# Altium PCB ld_system_control.PcbDoc (continued)
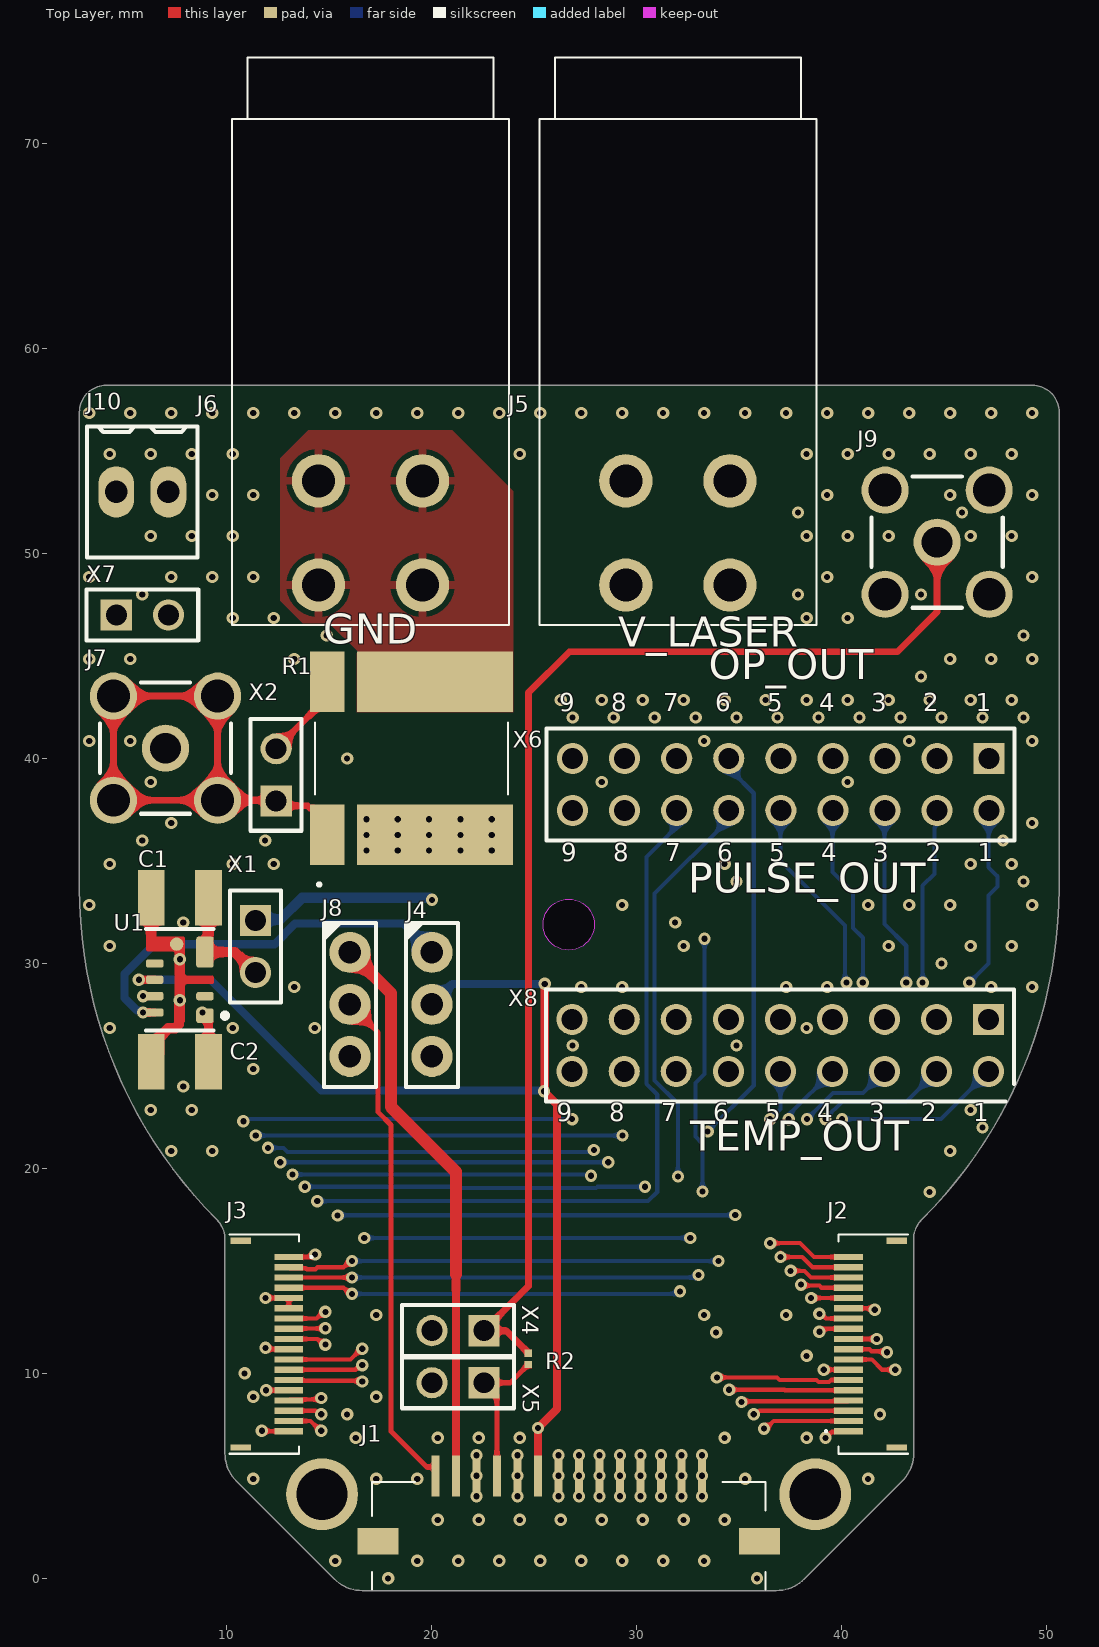
[diagram p0: Top Layer view]
## Design rules (kind name [scope] priority, off if disabled: settings) (continued)
PolygonConnect [All] p2: thpad.connectstyle=Relief thpad.reliefconductorwidth=0.3 thpad.reliefentries=4 thpad.polygonreliefangle="90 Angle" thpad.airgapwidth=0.25 smdpad.connectstyle=Relief smdpad.reliefconductorwidth=0.3 smdpad.reliefentries=4 smdpad.polygonreliefangle="90 Angle" smdpad.airgapwidth=0.25 via.connectstyle=Direct via.reliefconductorwidth=0.25 via.reliefentries=4 via.polygonreliefangle="90 Angle" via.airgapwidth=0.25
RoutingCorners [All] p1: cornerstyle=45-Degree minsetback=1.5 maxsetback=1.5
RoutingVias [All] p1: holewidth=0.3 width=0.6 viastyle="Through Hole" minholewidth=0.3 minwidth=0.6 maxholewidth=0.7 maxwidth=1.5
SilkToSilkClearance [All] p1: silktosilkclearance=0
SilkToSolderMaskClearance [IsPad] p1: minsilkscreentomaskgap=0 clearancetoexposedcopper=TRUE
SolderMaskExpansion SolderMaskExpansion_1 [IsVia] p1: expansion=0.05 istentingtop=TRUE
SolderMaskExpansion [All] p2: expansion=0 istentingtop=FALSE
Width [All] p1: maxlimit=1 minlimit=0.2 preferedwidth=0.2
19 further rules are at their usual default settings.

## Classes and differential pairs
net class TEMP_A[1..9]: TEMP_A1 TEMP_A2 TEMP_A3 TEMP_A4 TEMP_A5 TEMP_A6 TEMP_A7 TEMP_A8 TEMP_A9
net class PULSE_OUT_A[1..9]: PULSE_OUT_A1 PULSE_OUT_A2 PULSE_OUT_A3 PULSE_OUT_A4 PULSE_OUT_A5 PULSE_OUT_A6 PULSE_OUT_A7 PULSE_OUT_A8 PULSE_OUT_A9
net class OP_OUT_P[1..9]: OP_OUT_P1 OP_OUT_P2 OP_OUT_P3 OP_OUT_P4 OP_OUT_P5 OP_OUT_P6 OP_OUT_P7 OP_OUT_P8 OP_OUT_P9

## Components (designator, comment, footprint, x,y, rotation, side; value= is the part's Value field where it differs from the comment)
C1 "10 µF" "CAP 1210_3225 - 1MM" 7.7,33.2 r0 top
C2 "10 µF" "CAP 1210_3225 - 1MM" 7.7,25.2 r0 top
J1 "200528-0140" 200528-0140 26.67,2.05 r0 top
J2 "503480-1800" 5034801800 41.548,11.425 r270 top
J3 "503480-1800" 5034801800 11.792,11.425 r90 top
J4 "M20-7820342" "HARWIN M20-7820345" 20,28 r0 top
J5 "CT3151-2" CT31510 32,51 r180 top
J6 "CT3151-0" CT31510 17,51 r180 top
J7 "1470510-1" 5-1814832-1 7,40.5 r0 top
J8 "M20-7820342" "HARWIN M20-7820345" 16,28 r0 top
J9 "1470510-1" 5-1814832-1 44.645,50.55 r0 top
J10 "282834-2" "TE 282834-2" 5.87,53 r0 top
R1 "WSL3637R0100DEA" WSL3637R0100DEA 19,40 r90 top
R2 "51" "RES 0201_0603" 24.7,10.7 r270 top
U1 "TPSM265R1V3SILR" FP-SIL0010C-MFG 7.7,29.2 r180 top
X1 "68000-102HLF" 68000-102HLF 11.387,30.82 r270 top
X2 "68000-102HLF" 68000-102HLF 12.4,39.2 r90 top
X4 "68000-102HLF" 68000-102HLF 21.27,12.08 r180 top
X5 "68000-102HLF" 68000-102HLF 21.27,9.54 r180 top
X6 "68000-102HLF" TSW-109-07-G-D 37.02,38.73 r270 top
X7 "68000-102HLF" 68000-102HLF 5.87,47 r0 top
X8 "68000-102HLF" TSW-109-07-G-D 37,26 r270 top

## Footprints (in the part's own frame and the unit in brackets; to place one, negate y for a bottom-side part, rotate by r counter-clockwise, add the part's x,y. Pads: shape width x height; smd on the part's side, far side on the other; paste and mask are expansions set on the pad)
5-1814832-1 [mm]
  round 2.3 hole 1.5: 1(0,0)
  round 2.3 hole 1.6: 2(-2.54,2.54) 3(2.54,2.54) 4(-2.54,-2.54) 5(2.54,-2.54)
  silkscreen extent -3.2,-3.2 3.2,3.2, body extent -3.2,-3.2 3.2,3.2, height 9.51
68000-102HLF [mm]
  rect 1.52x1.52 hole 1.02: 1(-1.27,0)
  round 1.52 hole 1.02: 2(1.27,0)
  silkscreen extent -2.73,-1.24 2.73,1.24, body extent -2.54,-1.21 2.54,1.21, height 8.39
200528-0140 [mm] "Conn FPC 14 POS 1 mm"
  rect 0.4x2 smd: 1(-6.5,2.95) 2(-5.5,2.95) 3(-4.5,2.95) 4(-3.5,2.95) 5(-2.5,2.95) 6(-1.5,2.95) 7(-0.5,2.95) 8(0.5,2.95) 9(1.5,2.95) 10(2.5,2.95) 11(3.5,2.95) 12(4.5,2.95) 13(5.5,2.95) 14(6.5,2.95)
  rect 2x1.3 smd: MP1(-9.3,-0.25) MP2(9.3,-0.25)
  silkscreen extent -9.6,-2.6 9.6,2.65, body extent -10,-2.6 10,2.7, height 1.88
5034801800 [mm]
  rect 0.3x1.4 smd: 1(4.25,-1.225) 2(3.75,-1.225) 3(3.25,-1.225) 4(2.75,-1.225) 5(2.25,-1.225) 6(1.75,-1.225) 7(1.25,-1.225) 8(0.75,-1.225) 9(0.25,-1.225) 10(-0.25,-1.225) 11(-0.75,-1.225) 12(-1.25,-1.225) 13(-1.75,-1.225) 14(-2.25,-1.225) 15(-2.75,-1.225) 16(-3.25,-1.225) 17(-3.75,-1.225) 18(-4.25,-1.225)
  rect 0.3x1 smd: MP1(5.04,1.125) MP2(-5.04,1.125)
  silkscreen extent -5.35,-2.37 5.35,1.67, body extent -5.35,-1.8 5.35,1.8, height 1.85
"CAP 1210_3225 - 1MM" [mm] "Chip Capacitor, 2-Leads, Body 3.20x2.50mm, IPC Medium Density"
  rect 1.3x2.7 smd: 1(-1.4,0) 2(1.4,0)
  body extent -1.6,-1.25 1.6,1.25, height 1
CT31510 [mm]
  round 2.6 hole 1.6: 1(-2.54,2.54) 2(-2.54,-2.54) 3(2.54,-2.54) 4(2.54,2.54)
  silkscreen extent -6.75,-23.2 6.75,4.5, body extent -6.6,-24.65 6.9,3.05, height 19.24
FP-SIL0010C-MFG [mm]
  rrect29% 0.85x0.7 smd paste-1000 mask-1000: 1(-1.225,1.75)
  rrect50% 0.85x0.4 smd paste-1000 mask-1000: 2(-1.225,0.8) 7(1.225,-0.8) 8(1.225,0) 9(1.225,0.8) 10(1.225,1.6)
  round 0.65 smd paste-1000 mask-1000: 3-6-11(0.155,-1.739)
  rrect24% 0.85x1.5 smd paste-1000 mask-1000: 4-5(-1.225,-1.35)
  Top Layer region: -0.15,2.1 -0.2,2.087 -0.237,2.05 -0.25,2 -0.25,2 -0.25,0.3 -0.258,0.262 -0.279,0.229 -0.312,0.208 -0.35,0.2 -0.35,0.2 -1.55,0.2 -1.6,0.187 -1.637,0.15 -1.65,0.1 -1.65,0.1 -1.65,-0.1 -1.637,-0.15 -1.6,-0.187 -1.55,-0.2 -1.55,-0.2 -0.35,-0.2 -0.312,-0.208 -0.279,-0.229 -0.258,-0.262 -0.25,-0.3 -0.25,-0.3 -0.25,-2 -0.237,-2.05 -0.2,-2.087 -0.15,-2.1 -0.15,-2.1 1.55,-2.1 1.6,-2.087 1.637,-2.05 1.65,-2 1.65,-2 1.65,-1.5 1.637,-1.45 1.6,-1.413 1.55,-1.4 1.55,-1.4 0.35,-1.4 0.3,-1.387 0.263,-1.35 0.25,-1.3 0.25,-1.3 0.25,2 0.237,2.05 0.2,2.087 0.15,2.1 0.15,2.1
  silkscreen extent -2.33,-2.47 1.65,2.47, body extent -1.75,-2.2 1.75,2.2, height 0.25
"HARWIN M20-7820345" [mm] "2.54mm DIL PC TAIL PIN HEADER ASSEMBLY"
  round 2 hole 1.1: 1(0,2.54) 2(0,0) 3(0,-2.54)
  silkscreen extent -1.27,-4.03 1.27,4, body extent -1.25,-4.01 1.25,4.01, height 8.5
"RES 0201_0603" [mm] "Chip Resistor, 2-Leads, Body 0.60x0.30mm, IPC Medium Density"
  rect 0.35x0.35 smd: 1(-0.275,0) 2(0.275,0)
  body extent -0.3,-0.15 0.3,0.15, height 0.21
"TE 282834-2" [mm]
  oval 1.75x2.5 hole 1.1: 1(-1.27,0) 2(1.27,0)
  silkscreen extent -2.7,-3.2 2.7,3.2, body extent -2.77,-3.25 2.77,3.25, height 10
TSW-109-07-G-D [mm] "Conn header 18 pins"
  rect 1.52x1.52 hole 1.02: 1(-1.27,10.16)
  round 1.52 hole 1.02: 2(1.27,10.16) 3(-1.27,7.62) 4(1.27,7.62) 5(-1.27,5.08) 6(1.27,5.08) 7(-1.27,2.54) 8(1.27,2.54) 9(-1.27,0) 10(1.27,0) 11(-1.27,-2.54) 12(1.27,-2.54) 13(-1.27,-5.08) 14(1.27,-5.08) 15(-1.27,-7.62) 16(1.27,-7.62) 17(-1.27,-10.16) 18(1.27,-10.16)
  silkscreen extent -2.73,-11.43 2.73,11.4, body extent -2.54,-11.43 2.54,11.43, height 8.38
WSL3637R0100DEA [mm]
  rect 2.95x1.68 smd: 1(-3.735,4.115) 4(3.735,4.115)
  rect 2.95x7.62 smd: 2(-3.735,-1.145) 3(3.735,-1.145)
  silkscreen extent -6.2,-4.7 1.75,4.7, body extent -4.66,-4.56 4.48,4.84, height 0.64

## Part data
C1 C2: library part GRM32EC72A106ME05L, "CAP CER 10UF 100V X7S 1210", Device Package="1210 (3225 Metric)", Manufacturer="Murata Electronics", Operating Temperature="-55°C ~ 125°C", Supplier Part Number 1=490-GRM32EC72A106ME05LCT-ND, Temperature Coefficient=X7S, Tolerance=±20%, Voltage - Rated=100V, Applications="General Purpose", Capacitance="10 µF", ComponentLink1Description=Datasheet, ComponentLink1URL=https://search.murata.co.jp/Ceramy/image/img/A01X/G101/ENG/GRM32EC72A106ME05-01A.pdf, ComponentLink2Description="DigiKey Link", ComponentLink2URL=https://www.digikey.com/en/products/detail/murata-electronics/GRM32EC72A106ME05L/16033383, lastupdated="16/07/2023 19:11:38", Lifecycle Status=Active, Minimum Order=1, Mounting Type="Surface Mount, MLCC", Package / Case="1210 (3225 Metric)", Packaging=TapeAndReel, Part Number=GRM32EC72A106ME05L, Part Status=Active, partid=44868, price=0.28, series=GRM, Size / Dimension="0.126\" L x 0.098\" W (3.20mm x 2.50mm)", Supplier 1=Digi-Key, Thickness (Max)="0.106\" (2.70mm)"
J1: "Conn FPC 14 POS 1 mm", Manufacturer=Molex, Supplier Part Number 1=538-200528-0140, Category="FFC / FPC", Manufacturer Part Number=200528-0140, Pricing 1="1=2.14, 10=1.82, 50=1.82, 100=1.5, 1000=1.2, 10000=1.02 (USD)", RoHS=No, Stock 1=12005, Supplier 1=Mouser
J2 J3: "Conn FPC  18 POS 0.5mm", Manufacturer=Molex, Manufacturer Part Number=5034801800, Supplier Part Number 1=538-503480-1800, Category="FFC / FPC", ComponentLink1Description=https://datasheet.ciiva.com/671/5034800400-sd-671136.pdf?src-supplier=Digi-Key, ComponentLink1URL=https://datasheet.ciiva.com/671/5034800400-sd-671136.pdf?src-supplier=Digi-Key, ComponentLink2Description=https://datasheet.ciiva.com/10366/5034801800-ffc-fpc-connectors-10366583.pdf?src-supplier=Avnet, ComponentLink2URL=https://datasheet.ciiva.com/10366/5034801800-ffc-fpc-connectors-10366583.pdf?src-supplier=Avnet, ComponentLink3Description=https://datasheet.ciiva.com/5137/5034801800-ffc-fpc-connectors-179548-5137672.pdf?src-supplier=Mouser, ComponentLink3URL=https://datasheet.ciiva.com/5137/5034801800-ffc-fpc-connectors-179548-5137672.pdf?src-supplier=Mouser, Pricing 1="1=1.48, 10=1.23, 50=1.23, 100=1.06, 1000=0.885, 10000=0.766 (USD)", RoHS=Yes, Stock 1=17529, Supplier 1=Mouser
J4 J8: "Header 3 Positions, Unshrouded Connector 0.100\" (2.54mm) Through Hole Gold or Gold, GXT™", Current Rating (Amps)=3A, Insulation Color=Black, Manufacturer="Harwin Inc.", Material Flammability Rating="UL94 V-0", Operating Temperature="-40°C ~ 105°C", Supplier Part Number 1=952-1783-ND, ComponentLink1Description=Datasheet, ComponentLink1URL=https://cdn.harwin.com/pdfs/Harwin_PC_Connectors_M20.pdf, ComponentLink2Description="DigiKey Link", ComponentLink2URL=https://www.digikey.com/en/products/detail/harwin-inc/M20-7820342/3727752, Connector Type=Receptacle, Contact Finish - Mating=Gold, Contact Finish - Post=Tin, Contact Finish Thickness - Mating=Flash, Contact Length - Post="0.118\" (3.00mm)", Contact Type="Female Socket", Fastening Type=Push-Pull, Insulation Height="0.335\" (8.51mm)", lastupdated="21/09/2022 18:55:13", Lifecycle Status=Active, Mated Stacking Heights="11.04mm, 12.63mm", Minimum Order=1, Mounting Type="Through Hole", Number of Positions=3, Number of Positions Loaded=All, Number of Rows=1, Packaging=Tube, Part Number=M20-7820342, Part Status=Active, Pitch - Mating="0.100\" (2.54mm)", price=0.42, series=M20, Style="Board to Board or Cable", Supplier 1=DigiKey, Termination=Solder
J5: "Banana plug connector - Red", Manufacturer="Cal Test Electronics", Supplier Part Number 1=510-CT3151-2, Category=Connectors, ComponentLink1Description=http://www.caltestelectronics.com/images/attachments/P315100rH_drawing.pdf?src-supplier=Digikey, ComponentLink1URL=http://www.caltestelectronics.com/images/attachments/P315100rH_drawing.pdf?src-supplier=Digikey, Manufacturer Part Number=CT3151-2, Pricing 1="1=2.45, 10=2.45, 50=2.45, 100=2.45, 1000=2.45, 10000=2.45 (USD)", Reach SVHC Compliant=Yes, RoHS=Yes, Supplier 1=Mouser
J6: "Banana plug connector - Black", Manufacturer="Cal Test Electronics", Supplier Part Number 1=510-CT3151-0, Category=Connectors, ComponentLink1Description=http://www.caltestelectronics.com/images/attachments/P315100rH_drawing.pdf?src-supplier=Digikey, ComponentLink1URL=http://www.caltestelectronics.com/images/attachments/P315100rH_drawing.pdf?src-supplier=Digikey, Manufacturer Part Number=CT3151-0, Pricing 1="1=2.45, 10=2.45, 50=2.45, 100=2.45, 1000=2.45, 10000=2.45 (USD)", Reach SVHC Compliant=Yes, RoHS=Yes, Stock 1=3249, Supplier 1=Mouser
J7 J9: library part CMP-00606-1, "SMA Connector Jack, Female Socket 50 Ohm Through Hole Solder", Case/Package=SMA, Dielectric Material=PTFE, Frequency=6GHz, Manufacturer="TE Connectivity", Package Quantity=100, Supplier Part Number=A119269-ND, Body Material=Brass, ComponentLink1Description=1470510-1?RQPN=1470510-1, ComponentLink1URL=http://www.te.com/catalog/pn/en/1470510-1?RQPN=1470510-1, Connector Type=SMA,Jack, ELV=Compliant, Gender=Male, Impedance=50R, Length=13.97mm, Manufacturer Part Number=1470510-1, Mount="Through Hole", Orientation=Straight, Packaging=Bag, PCB Mounting Orientation=Vertical, Radiation Hardening=No, Supplier=Digi-Key, Termination=Solder
J10: "TERM BLK 2P SIDE ENT 2.54MM PCB", Color=Green, Current=10A, Manufacturer="TE Connectivity AMP Connectors", Supplier Part Number 1=A98333-ND, Voltage=150V, ComponentLink1Description=Datasheet, ComponentLink1URL=https://www.te.com/commerce/DocumentDelivery/DDEController?Action=srchrtrv&DocNm=282834&DocType=Customer+Drawing&DocLang=English, ComponentLink2Description="DigiKey Link", ComponentLink2URL=http://digikey.com/product-detail/en/te-connectivity-amp-connectors/282834-2/A98333-ND/1150135, lastupdated="15/01/2020 04:15:38", Lifecycle Status=Active, Mating Orientation="Horizontal with Board", Minimum Order=1, Mounting Type="Through Hole", Number of Levels=1, Packaging=Bulk, Part Number=282834-2, Part Status=Active, Pitch="0.100\" (2.54mm)", Positions Per Level=2, price=0.88, series=Buchanan, Supplier 1=DigiKey, Wire Gauge="16-30 AWG", Wire Termination="Screw - Rising Cage Clamp"
R1: "Resistor", Manufacturer_Name=Vishay, Mouser Part Number=71-WSL3637R0100DEA, Arrow Part Number=WSL3637R0100DEA, Arrow Price/Stock=https://www.arrow.com/en/products/wsl3637r0100dea/vishay, Datasheet Link=https://componentsearchengine.com/Datasheets/1/WSL3637R0100DEA.pdf, Height=0.889mm, Manufacturer_Part_Number=WSL3637R0100DEA, Mouser Price/Stock=https://www.mouser.co.uk/ProductDetail/Vishay-Dale/WSL3637R0100DEA?qs=5qr1tyFj3NLzr0u0T49OJA%3D%3D
R2: library part ERJ-1GNF51R0C, "RES SMD 51 OHM 1% 1/20W 0201", Case/Package=0201, Manufacturer=Panasonic, Manufacturer Part Number=ERJ1GNF51R0C, Max Operating Temperature=125°C, Min Operating Temperature=-55°C, Package Height=0.23mm, Package Length=0.6mm, Package Shape=Rectangular, Package Style=SMTMeter, Package Width=0.3mm, Power=50mW, Rated Temperature=70°C, Resistor Type="FIXED RESISTOR", Supplier Part Number=667-ERJ-1GNF51R0C, Temperature Coefficient=200ppm/°C, Tolerance=1%, Working Voltage=25V, Category="Chip SMD Resistors", ComponentLink1Description=https://datasheet.ciiva.com:443/pdfs/VipMasterIC/IC/PANA/PANA-S-A0009889626/PANA-S-A0009889626-1.pdf?src-supplier=IHS+Markit, ComponentLink1URL=https://datasheet.ciiva.com:443/pdfs/VipMasterIC/IC/PANA/PANA-S-A0009889626/PANA-S-A0009889626-1.pdf?src-supplier=IHS+Markit, ComponentLink2Description=https://datasheet.ciiva.com/43467/1678782-43467023.pdf?src-supplier=Farnell, ComponentLink2URL=https://datasheet.ciiva.com/43467/1678782-43467023.pdf?src-supplier=Farnell, ComponentLink3Description=https://datasheet.ciiva.com/24130/aoa0000ce2-24130655.pdf?src-supplier=Mouser, ComponentLink3URL=https://datasheet.ciiva.com/24130/aoa0000ce2-24130655.pdf?src-supplier=Mouser, ComponentLink4Description=https://datasheet.ciiva.com/46375/1678782-46375932.pdf?src-supplier=Element14, ComponentLink4URL=https://datasheet.ciiva.com/46375/1678782-46375932.pdf?src-supplier=Element14, ComponentLink5Description=https://datasheet.ciiva.com/7891/aoa0000ce2-7891288.pdf?src-supplier=Element14, ComponentLink5URL=https://datasheet.ciiva.com/7891/aoa0000ce2-7891288.pdf?src-supplier=Element14, Construction=Rectangular, JESD-609 Code=e3, Mounting Technology="Surface Mount", Packaging="Tape and Reel", Pins=2, Pricing="1=0.1, 10=0.033, 50=0.033, 100=0.015, 1000=0.011, 10000=0.007 (USD)", Reach SVHC Compliant=Yes, Reference Standard=AEC-Q200, RoHS=Yes, RoHS Compliant=Yes, Stock=39473, Supplier=Mouser, Supplier 1=Mouser, Supplier Part Number 1=667-ERJ-1GNF51R0C, Technology="METAL GLAZE/THICK FILM", Terminal Finish=Nickel, Termination=Wraparound
U1: "3-V TO 65-V INPUT, 100-MA, STEP-", Manufacturer="Texas Instruments", Supplier Part Number 1=595-TPSM265R1V3SILR, Category="Voltage Regulators - Switching", Manufacturer Part Number=TPSM265R1V3SILR, Pricing 1="1=4.24, 10=3.61, 50=3.61, 100=3.13, 1000=2.25, 10000=2.13 (USD)", RoHS=Yes, Stock 1=6360, Supplier 1=Mouser
X1 X2 X4 X5: library part CMP-00100-3_1, "Header 2 Positions , Unshrouded Connector 0.100\" (2.54mm) Through Hole Gold or Gold, GXT™", Case/Package=100, Colour=Black, Current Rating=3A, Flammability Rating="UL94 V-0", Insulation Resistance=5GR, Manufacturer="Amphenol FCI", Max Operating Temperature=125°C, Max Voltage Rating (AC)=1.5kV, Min Operating Temperature=-65°C, Supplier Part Number=609-3500-ND, ComponentLink1Description=68000-274228-5149165.pdf, ComponentLink1URL=https://datasheet.ciiva.com/5149/68000-274228-5149165.pdf, ComponentLink2Description=68000-722084.pdf, ComponentLink2URL=https://datasheet.ciiva.com/722/68000-722084.pdf, ComponentLink3Description=68000-10149324.pdf, ComponentLink3URL=https://datasheet.ciiva.com/10149/68000-10149324.pdf, ComponentLink4Description=68000-16726309.pdf, ComponentLink4URL=https://datasheet.ciiva.com/16726/68000-16726309.pdf, Connector Type="Male Pin", Contact Gender=Male, Contact Material=Bronze, Contact Mating Length=0.23inch, Contact Plating=Nickel,Gold,GXT, Depth=2.41mm, Gender=Male, Housing Colour=Black, Housing Material=Thermoplastic, Lead Free="Lead Free", Length=5.08mm, Manufacturer Part Number=68000-102HLF, Mating Post Length=5.84mm, Number of Contacts=2, Number of Positions=2, Number of Rows=1, Orientation=Straight, Package Quantity=100, Packaging=Bulk, Pitch=2.54mm, Radiation Hardening=No, Supplier=Digikey, Termination=Solder, Termination Post Length=2.41mm, Voltage Rating=1.5kV, Voltage Rating (DC)=1.5kV
X6 X8: "Header 9*2 Positions, Unshrouded Connector 0.100\" (2.54mm) Through Hole Gold or Gold, GXT™", Case/Package=100, Colour=Black, Current Rating=3A, Flammability Rating="UL94 V-0", Insulation Resistance=5GR, Manufacturer="Amphenol FCI", Max Operating Temperature=125°C, Max Voltage Rating (AC)=1.5kV, Min Operating Temperature=-65°C, Supplier Part Number=609-3500-ND, ComponentLink1Description=68000-274228-5149165.pdf, ComponentLink1URL=https://datasheet.ciiva.com/5149/68000-274228-5149165.pdf, ComponentLink2Description=68000-722084.pdf, ComponentLink2URL=https://datasheet.ciiva.com/722/68000-722084.pdf, ComponentLink3Description=68000-10149324.pdf, ComponentLink3URL=https://datasheet.ciiva.com/10149/68000-10149324.pdf, ComponentLink4Description=68000-16726309.pdf, ComponentLink4URL=https://datasheet.ciiva.com/16726/68000-16726309.pdf, Connector Type="Male Pin", Contact Gender=Male, Contact Material=Bronze, Contact Mating Length=0.23inch, Contact Plating=Nickel,Gold,GXT, Depth=2.41mm, Gender=Male, Housing Colour=Black, Housing Material=Thermoplastic, Lead Free="Lead Free", Length=5.08mm, Manufacturer Part Number=68000-102HLF, Mating Post Length=5.84mm, Number of Contacts=2, Number of Positions=2, Number of Rows=1, Orientation=Straight, Package Quantity=100, Packaging=Bulk, Pitch=2.54mm, Radiation Hardening=No, Supplier=Digikey, Termination=Solder, Termination Post Length=2.41mm, Voltage Rating=1.5kV, Voltage Rating (DC)=1.5kV
X7: library part CMP-00100-3, "Header 2 positions, Unshrouded Connector 0.100\" (2.54mm) Through Hole Gold or Gold, GXT™", Case/Package=100, Colour=Black, Current Rating=3A, Flammability Rating="UL94 V-0", Insulation Resistance=5GR, Manufacturer="Amphenol FCI", Max Operating Temperature=125°C, Max Voltage Rating (AC)=1.5kV, Min Operating Temperature=-65°C, Supplier Part Number=609-3500-ND, ComponentLink1Description=68000-274228-5149165.pdf, ComponentLink1URL=https://datasheet.ciiva.com/5149/68000-274228-5149165.pdf, ComponentLink2Description=68000-722084.pdf, ComponentLink2URL=https://datasheet.ciiva.com/722/68000-722084.pdf, ComponentLink3Description=68000-10149324.pdf, ComponentLink3URL=https://datasheet.ciiva.com/10149/68000-10149324.pdf, ComponentLink4Description=68000-16726309.pdf, ComponentLink4URL=https://datasheet.ciiva.com/16726/68000-16726309.pdf, Connector Type="Male Pin", Contact Gender=Male, Contact Material=Bronze, Contact Mating Length=0.23inch, Contact Plating=Nickel,Gold,GXT, Depth=2.41mm, Gender=Male, Housing Colour=Black, Housing Material=Thermoplastic, Lead Free="Lead Free", Length=5.08mm, Manufacturer Part Number=68000-102HLF, Mating Post Length=5.84mm, Number of Contacts=2, Number of Positions=2, Number of Rows=1, Orientation=Straight, Package Quantity=100, Packaging=Bulk, Pitch=2.54mm, Radiation Hardening=No, Supplier=Digikey, Termination=Solder, Termination Post Length=2.41mm, Voltage Rating=1.5kV, Voltage Rating (DC)=1.5kV

## Free pads (board coordinates)
  round 3.5 hole 2.5 paste-2539.97 mask+0: 2(14.64,4.1) 2(38.7,4.1)

## Via types
v1: diameter 0.6, hole 0.3, Top Layer to Bottom Layer, tented both sides, 317 vias
v2: diameter 0.6, hole 0.3, Top Layer to Bottom Layer, 2 vias

## Nets (pads, with @x,y where several pads share a name; then routed paths per layer and width w, separated by ;. In a path a pad name is that pad's centre, name@x,y a point inside that pad or via, vN(x,y) a via of type N, cw(c..) or ccw(c..) an arc to the next point about the centre after c; other vN are vias at no path point)
3V3_P: C2.2 J1.6 J4.2 U1.1 U1.8 | length 59.6
  Top Layer w0.4: v1(5.7,29.2) U1.8 ; U1.1 8.95,27.45 9.1,27.3 C2.2 ; J1.6 v1(25.17,7.33) 26.1,8.26 26.1,23.123 v1(25.464,23.759) ; v1@25.5,23.759 v1(25.5,29)
  Int2 (Sign) w0.4: v1(5.7,29.2) 7.69,29.2 8.664,28.226 8.664,27.736 v1@8.7,27.7
  Bottom Layer w0.4: v1(5.7,29.2) 9.2,29.2 14.6,23.8 25.282,23.8 25.285,23.797 25.426,23.797 v1(25.464,23.759) ; J4.2 21,29 v1(25.5,29)
  other v1: 8.8,27.6
GND: C1.1 C2.1 J1.3 J1.5 J1.7 J1.9 J1.11 J1.13 J2.1 J2.7 J2.13 J3.1 J3.5 J3.6 J3.10 J3.14 J3.18 J4.3 J8.3 J9.2 J9.3 J9.4 J9.5 J10.2 pad.2 R1.2 U1.3-6-11 X4.2 X5.2 X7.2 X8.1 X8.3 X8.5 X8.7 X8.9 X8.11 X8.13 X8.15 X8.17 | length 65.5
  Top Layer w0.2: v1(11.7,7.2) 11.725,7.175 J3.18 ; v1(11.881,11.241) 11.816,11.175 J3.10 ; v1(11.881,13.675) J3.5 J3.6 ; v1(11.909,9.175) J3.14 ; J3.1 J3.1 14.068,15.676 14.192,15.8 v1(14.3,15.8) ; v1(39.117,10.175) J2.7 ; v1(39.2,6.85) 39.487,7.137 40.285,7.137 J2.1 ; J2.13 41.525,13.175 v1(41.6,13.1)
  Top Layer w0.5: C2.1 6.7,25.6 6.7,26.4 7.14,26.84 7.478,26.84 7.66,27.022 7.66,28.16 v2(7.7,28.2) ; 6.3,30.939 C1.1
  Int1 (GND) w0.329: v1(16.8,35.5) v1(16.8,36.265) v1(16.8,37.03) ; v1(18.33,35.5) v1(18.33,36.265) v1(18.33,37.03) ; v1(19.86,35.5) v1(19.86,36.265) v1(19.86,37.03) ; v1(21.39,35.5) v1(21.39,36.265) v1(21.39,37.03) ; v1(22.92,35.5) v1(22.92,36.265) v1(22.92,37.03)
  Int1 (GND) w0.5: v1(22.17,4) v1(22.17,5) v1(22.17,6) v1@22.17,7 ; v1(24.17,4) v1(24.17,5) v1(24.17,6) v1@24.17,7 ; 26.17,3.5 v1(26.17,4) v1(26.17,5) v1(26.17,6) 26.17,6.83 ; v1@28.17,3 v1(28.17,4) v1(28.17,5) v1(28.17,6) 28.17,7 ; v1@30.17,3 v1(30.17,4) v1(30.17,5) v1(30.17,6) 30.17,7.33 ; v1@32.17,3 v1(32.17,4) v1(32.17,5) v1(32.17,6) 32.17,7
  Int4 (GND) w0.5: v1(22.17,4) v1(22.17,5) v1(22.17,6) ; v1(24.17,4) v1(24.17,5) v1(24.17,6) ; 26.17,3.5 v1(26.17,4) v1(26.17,5) v1(26.17,6) 26.17,6.83 ; v1@28.17,3 v1(28.17,4) v1(28.17,5) v1(28.17,6) 28.17,7 ; v1@30.17,3 v1(30.17,4) v1(30.17,5) v1(30.17,6) 30.17,7.33 ; v1@32.17,3 v1(32.17,4) v1(32.17,5) v1(32.17,6) 32.17,7
  Bottom Layer w0.2: v1@11.848,13.642 v1(11.881,13.675) ; v1@11.863,11.241 v1(11.881,11.241)
  other v1: 17.863,-0.003 35.863,-0.003 15.28,0.85 19.28,0.85 21.28,0.85 23.28,0.85 25.28,0.85 27.28,0.85 29.28,0.85 31.28,0.85 33.28,0.85 20.28,2.85 22.28,2.85 24.28,2.85 26.28,2.85 28.28,2.85 30.28,2.85 32.28,2.85 34.28,2.85 11.28,4.85 17.28,4.85 19.28,4.85 35.28,4.85 41.28,4.85 16.28,6.85 20.28,6.85 22.28,6.85 24.28,6.85 34.28,6.85 38.28,6.85 15.863,7.997 41.863,7.997 11.28,8.85 17.28,8.85 10.863,9.997 38.28,10.85 33.863,11.997 17.28,12.85 33.28,12.85 37.28,12.85 44.28,18.85 7.28,20.85 9.28,20.85 45.28,20.85 46.863,21.997 6.28,22.85 8.28,22.85 46.28,22.85 7.863,23.997 11.28,24.85 26.863,25.997 34.863,25.997 4.28,26.85 10.28,26.85 14.28,26.85 38.28,26.85 13.28,28.85 27.28,28.85 29.28,28.85 37.28,28.85 39.28,28.85 47.28,28.85 49.28,28.85 44.863,29.997 4.28,30.85 32.28,30.85 42.28,30.85 46.28,30.85 48.28,30.85 7.863,31.997 31.863,31.997 3.28,32.85 29.28,32.85 41.28,32.85 43.28,32.85 45.28,32.85 49.28,32.85 34.863,33.997 48.863,33.997 4.28,34.85 10.28,34.85 12.28,34.85 34.28,34.85 46.28,34.85 48.28,34.85 5.863,35.997 11.863,35.997 47.863,35.997 7.28,36.85 49.28,36.85 6.28,38.85 28.28,38.85 40.28,38.85 15.863,39.997 3.28,40.85 5.28,40.85 33.28,40.85 43.28,40.85 49.28,40.85 26.863,41.997 28.863,41.997 30.863,41.997 32.863,41.997 34.863,41.997 36.863,41.997 38.863,41.997 40.863,41.997 42.863,41.997 44.863,41.997 46.863,41.997 48.863,41.997 26.28,42.85 28.28,42.85 30.28,42.85 32.28,42.85 34.28,42.85 36.28,42.85 38.28,42.85 40.28,42.85 42.28,42.85 44.28,42.85 46.28,42.85 48.28,42.85 43.863,43.997 3.28,44.85 5.28,44.85 13.28,44.85 45.28,44.85 47.28,44.85 49.28,44.85 14.863,45.997 48.863,45.997 10.28,46.85 12.28,46.85 38.28,46.85 40.28,46.85 5.863,47.997 37.863,47.997 43.863,47.997 3.28,48.85 7.28,48.85 9.28,48.85 11.28,48.85 39.28,48.85 49.28,48.85 6.28,50.85 8.28,50.85 10.28,50.85 38.28,50.85 40.28,50.85 42.28,50.85 46.28,50.85 48.28,50.85 37.863,51.997 45.863,51.997 9.28,52.85 11.28,52.85 39.28,52.85 45.28,52.85 49.28,52.85 4.28,54.85 6.28,54.85 8.28,54.85 10.28,54.85 24.28,54.85 38.28,54.85 40.28,54.85 42.28,54.85 44.28,54.85 46.28,54.85 48.28,54.85 3.28,56.85 5.28,56.85 7.28,56.85 9.28,56.85 11.28,56.85 13.28,56.85 15.28,56.85 17.28,56.85 19.28,56.85 21.28,56.85 23.28,56.85 25.28,56.85 27.28,56.85 29.28,56.85 31.28,56.85 33.28,56.85 35.28,56.85 37.28,56.85 39.28,56.85 41.28,56.85 43.28,56.85 45.28,56.85 47.28,56.85 49.28,56.85
  other v2: 7.7,30.2
NetC1_2: C1.2 U1.4-5 U1.9 X1.2 | length 13.6
  Top Layer w0.3: v1(5.899,28.4) U1.9
  Top Layer w0.5: C1.2 9.1,30.725 U1.4-5 10.387,30.55 X1.2
  Int2 (Sign) w0.3: v1(5.899,28.4) 6.581,28.4 8.031,26.95 9.15,26.95 9.979,27.779 9.979,28.142 X1.2
NetJ4_1: J4.1 U1.10 | length 19.5
  Top Layer w0.4: v1(5.903,27.6) U1.10
  Bottom Layer w0.4: v1(5.903,27.6) 5.849,27.6 5.749,27.7 5.609,27.7 5,28.309 5,29.49 6.44,30.93 12.313,30.93 13.323,31.94 18.6,31.94 J4.1
NetJ6_1: J6.1 J6.2 J6.3 J6.4 R1.3
NetJ7_1: J7.1 R1.4 X2.2 | length 9.7
  Top Layer w0.329: X2.2 14.209,42.279 14.209,43.059 R1.4
  Int2 (Sign) w0.329: J7.1 7.03,40.47 X2.2
NetJ7_2: J7.2 J7.3 J7.4 J7.5 R1.1 X2.1 | length 26.7
  Top Layer w0.329: R1.1 14.885,36.9 14.209,37.576 14.039,37.576 13.925,37.69 12.64,37.69 X2.1 12.37,37.96 J7.5 ; J7.5 J7.3 J7.2 J7.4 J7.5
NetJ9_1: J9.1 R2.1 X4.1 | length 59.6
  Top Layer w0.2: R2.1 R2.1@24.7,11
  Top Layer w0.329: R2.1@24.7,11 23.62,12.08 X4.1 24.711,14.251 24.711,43.211 26.7,45.2 42.7,45.2 44.645,47.145 J9.1
OP_OUT_P1: J2.2 X6.1 | length 42.1
  Top Layer w0.2: v1(36.2,7.3) 36.298,7.3 36.673,7.675 J2.2
  Int3 (Sign) w0.2: v1(36.2,7.3) 36.277,7.377 36.277,7.728 36.3,7.751 36.3,15 35.9,15.4 35.9,24.105 35.94,24.145 35.94,29.235 43.58,36.875 43.58,37.899 44.201,38.52 45.72,38.52 46.52,39.32 46.52,39.34 46.693,39.513 X6.1@46.713,39.513
OP_OUT_P2: J2.3 X6.3 | length 40.6
  Top Layer w0.2: v1(35.7,8) 35.808,8 35.983,8.175 J2.3
  Int3 (Sign) w0.2: v1(35.7,8) 35.7,15.034 35.5,15.234 35.5,24.271 35.54,24.311 35.54,29.401 43.16,37.021 43.16,38.26 44.64,39.74 X6.3
OP_OUT_P3: J2.4 X6.5 | length 41.2
  Top Layer w0.2: v1(35.1,8.6) 35.138,8.638 40.286,8.638 J2.4
  Int3 (Sign) w0.2: v1(35.1,8.6) 35.1,15.765 34.196,16.669 34.196,18.45 34.449,18.704 34.449,23.013 33.4,24.062 33.4,28.324 40.62,35.544 40.62,38.32 42.1,39.8 X6.5
OP_OUT_P4: J2.5 X6.7 | length 40.3
  Top Layer w0.2: v1(34.5,9.2) 37.192,9.2 37.216,9.175 J2.5
  Int3 (Sign) w0.2: v1(34.5,9.2) 34.575,9.275 34.575,15.724 33.796,16.504 33.796,18.616 34.049,18.87 34.049,22.848 33,23.897 33,28.49 38.08,33.57 38.08,38.52 39.411,39.851 X6.7@39.631,39.851
OP_OUT_P5: J2.6 X6.9 | length 39.8
  Top Layer w0.2: v1(33.9,9.8) 36.842,9.8 36.966,9.675 38.769,9.675 38.869,9.575 39.366,9.575 39.466,9.675 J2.6
  Int3 (Sign) w0.2: v1(33.9,9.8) 33.9,11.1 31.4,13.6 31.4,19.789 30.86,20.329 30.86,27.911 35.54,32.591 35.54,37.81 X6.9@37,39.27
OP_OUT_P6: J3.2 X6.11 | length 46.6
  Top Layer w0.2: J3.2 13.067,15.125 13.841,15.125 13.891,15.075 14.324,15.075 14.424,15.175 15.692,15.175 15.992,15.475 v1(16.1,15.475)
  Int2 (Sign) w0.2: v1(33.449,21.8) 33.975,21.274 v1(33.975,15.475)
  Bottom Layer w0.2: v1(16.1,15.475) v1(33.975,15.475) ; v1(33.449,21.8) 35.7,24.051 35.7,38.3 X6.11@34.637,39.363
OP_OUT_P7: J3.3 X6.13 | length 46.2
  Top Layer w0.2: J3.3 v1(16.1,14.675)
  Int3 (Sign) w0.2: X6.13@32,40 32,39.19 33.3,37.89 v1(33.3,31.2) ; v1(33,14.8) 33,16.151 33.2,16.351 v1(33.2,18.869)
  Bottom Layer w0.2: v1(16.1,14.675) 32.767,14.675 32.892,14.8 v1(33,14.8) ; v1(33.2,18.869) 33.2,21.201 32.849,21.551 32.849,24.16 33.3,24.611 v1(33.3,31.2)
OP_OUT_P8: J3.11 X6.15 | length 52.8
  Top Layer w0.2: J3.11 16.027,10.675 16.551,11.2 v1(16.6,11.2)
  Int3 (Sign) w0.2: v1(13.8,19.1) 13.8,18.992 13.7,18.892 13.7,11.651 14.551,10.8 16.151,10.8 16.551,11.2 v1(16.6,11.2) ; X6.15@29.446,40.054 30.44,39.06 30.44,37.919 30.46,37.899 30.46,37.021 30.44,37.001 30.44,19.148 v1(30.392,19.1)
  Bottom Layer w0.2: v1(13.8,19.1) 20.965,19.1 21.026,19.038 28.006,19.038 28.068,19.1 v1(30.392,19.1)
OP_OUT_P9: J3.12 X6.17 | length 52.5
  Top Layer w0.2: J3.12 16.267,10.175 16.492,10.4 v1(16.6,10.4)
  Int3 (Sign) w0.2: v1(13.2,19.7) 13.2,15.551 13.281,15.469 13.281,11.504 14.386,10.4 v1(16.6,10.4) ; X6.17 26.86,39.86 25.119,38.119 25.119,31.248 25.95,30.417 25.95,27.439 25.78,27.269 25.78,24.08 26.24,23.62 26.24,21.156 v1(27.757,19.638)
  Bottom Layer w0.2: v1(13.2,19.7) v1@27.696,19.7
PULSE_IN: J1.4 R2.2 X5.1 | length 7.3
  Top Layer w0.25: J1.4 23.17,8.91 X5.1 23.815,9.54 R2.2
PULSE_OUT_A1: J2.8 X6.2 | length 31.3
  Top Layer w0.2: J2.8 41.458,10.675 41.958,10.175 v1(42.6,10.175)
  Int3 (Sign) w0.2: v1(42.6,10.175) 43,10.575 43,19.777 45.68,22.457 45.68,28.523 v1(46.215,29.059)
  Bottom Layer w0.2: v1(46.215,29.059) 47.16,30.003 47.16,33.311 47.6,33.751 47.6,34.249 47.16,34.689 X6.2@47.16,36.73
PULSE_OUT_A2: J2.9 X6.4 | length 28.6
  Top Layer w0.2: J2.9 41.351,11.175 41.451,11.075 42.15,11.075 v1(42.2,11.025)
  Int3 (Sign) w0.2: v1(42.2,11.025) 42.6,11.425 42.6,19.943 43.54,20.883 43.54,28.61 43.94,29.01 v1(43.94,29.059)
  Bottom Layer w0.2: v1(43.94,29.059) 43.94,33.789 44.521,34.369 44.521,36.631 X6.4@44.62,36.73
PULSE_OUT_A3: J2.10 X6.6 | length 27.9
  Top Layer w0.2: J2.10 v1(41.7,11.675)
  Int3 (Sign) w0.2: v1(41.7,11.675) 41.7,12.351 42.2,12.851 42.2,15.98 41.7,16.48 41.7,19.609 43.14,21.049 v1(43.14,29.059)
  Bottom Layer w0.2: X6.6@42.08,36.73 42.08,31.92 43.14,30.86 v1(43.14,29.059)
PULSE_OUT_A4: J2.11 X6.8 | length 27.7
  Top Layer w0.2: v1(38.9,12.025) 39.008,12.025 39.158,12.175 J2.11
  Int3 (Sign) w0.2: v1(38.9,12.025) 41.02,14.145 v1(41.02,29.059)
  Bottom Layer w0.2: X6.8@39.54,36.73 39.54,34.46 40.543,33.457 40.543,31.727 41.02,31.25 v1(41.02,29.059)
PULSE_OUT_A5: J2.12 X6.10 | length 27.5
  Top Layer w0.2: v1(38.9,12.9) 39.008,12.9 39.233,12.675 J2.12
  Int3 (Sign) w0.2: v1(38.9,12.9) 40.6,14.6 40.6,28.59 40.22,28.97 v1(40.22,29.059)
  Bottom Layer w0.2: X6.10@37,36.73 37,35 40.143,31.857 40.143,29.135 v1(40.22,29.059)
PULSE_OUT_A6: J3.4 X6.12 | length 44.3
  Top Layer w0.2: J3.4 15.692,14.175 15.992,13.875 v1(16.1,13.875)
  Int3 (Sign) w0.2: v1(32,19.6) 32,16.351 32.1,16.251 v1(32.1,14)
  Bottom Layer w0.2: v1(16.1,13.875) 31.867,13.875 31.992,14 v1(32.1,14) ; v1(32,19.6) 32,23.151 30.86,24.291 30.86,33.4 X6.12@34.46,37
PULSE_OUT_A7: J3.7 X6.14 | length 43.1
  Top Layer w0.2: J3.7 14.367,12.675 14.692,13 v1(14.8,13)
  Int3 (Sign) w0.2: v1(14.4,18.4) 14.4,16.75 14.9,16.25 14.9,14.709 14.8,14.609 v1(14.8,13)
  Bottom Layer w0.2: v1(14.4,18.4) 30.541,18.4 30.992,18.851 30.992,23.593 30.46,24.125 30.46,35.19 X6.14@32,36.73
PULSE_OUT_A8: J3.13 X6.16 | length 50.5
  Top Layer w0.2: J3.13 13.055,9.638 16.562,9.638 v1(16.6,9.6)
  Int3 (Sign) w0.2: v1(12.6,20.3) 12.6,15.585 12.881,15.303 12.881,11.339 14.62,9.6 v1(16.6,9.6) ; v1(28.6,20.3) 29,20.7 29,21.051 28.32,21.731 28.32,27.356 28.691,27.727 28.691,34.745 29.1,35.154 29.1,36.7 X6.16@29.224,36.824
  Bottom Layer w0.2: v1(12.6,20.3) v1(28.6,20.3)
PULSE_OUT_A9: J3.15 X6.18 | length 48.1
  Top Layer w0.2: J3.15 13.067,8.725 14.525,8.725 v1(14.6,8.8)
  Int3 (Sign) w0.2: v1(12,21) 12,15.619 12.481,15.138 12.481,10.919 v1(14.6,8.8) ; X6.18 27.113,37.207 27.113,36.716 ; X6.18@26.972,36.828 27.098,36.702 27.098,34.233 28.275,33.057 28.275,28.832 27.9,28.457 v1(27.9,20.9)
  Bottom Layer w0.2: v1(12,21) 12.749,21 12.949,20.8 27.592,20.8
STDN: J1.1 J8.2 | length 24.9
  Top Layer w0.25: J8.2 17.375,26.625 17.375,22.741 18,22.116 18,7.17 19.742,5.429 20.095,5.429 20.17,5.354 J1.1
TEMP_A1: J2.14 X8.2 | length 19.3
  Top Layer w0.2: v1(38.5,13.675) J2.14
  Int3 (Sign) w0.2: v1(38.5,13.675) 40,15.175 v1(40,22.4)
  Bottom Layer w0.2: v1(40,22.4) 44.83,22.4 X8.2
TEMP_A2: J2.15 X8.4 | length 17.4
  Top Layer w0.2: v1(38,14.325) 38.05,14.275 38.904,14.275 39.004,14.175 J2.15
  Int3 (Sign) w0.2: v1(38,14.325) 39.2,15.525 v1(39.2,22.4)
  Bottom Layer w0.2: v1(39.2,22.4) 39.2,22.449 40.021,23.27 43.16,23.27 X8.4
TEMP_A3: J2.16 X8.6 | length 15.4
  Top Layer w0.2: v1(37.5,15) 38.174,15 38.499,14.675 J2.16
  Int3 (Sign) w0.2: v1(37.5,15) 38.3,15.8 v1(38.3,22.4)
  Bottom Layer w0.2: v1(38.3,22.4) 39.57,23.67 41.02,23.67 X8.6
TEMP_A4: J2.17 X8.8 | length 13.7
  Top Layer w0.2: v1@37,15.892 37,15.86 37.185,15.675 38.065,15.675 38.564,15.175 J2.17
  Int3 (Sign) w0.2: v1(37,15.675) 37,15.783 37.4,16.183 v1(37.4,22.4)
  Bottom Layer w0.2: v1(37.4,22.4) 37.477,22.477 37.477,22.667 X8.8
TEMP_A5: J2.18 X8.10 | length 12.7
  Top Layer w0.2: v1(36.5,16.35) 37.956,16.35 38.63,15.675 J2.18
  Int3 (Sign) w0.2: v1(36.5,16.35) v1(36.5,22.4)
  Bottom Layer w0.2: v1(36.5,22.4) 37,22.9 X8.10
TEMP_A6: J3.8 X8.12 | length 34.1
  Top Layer w0.2: J3.8 13.029,12.188 14.788,12.188 v1(14.8,12.2)
  Int3 (Sign) w0.2: v1(14.8,12.2) 14.849,12.2 15.4,12.751 v1(15.4,17.7) ; X8.12 34.587,24.603 34.587,23.713 34.849,23.451 34.849,17.778 v1(34.796,17.725)
  Bottom Layer w0.2: v1(15.4,17.7) 15.412,17.712 34.759,17.712 v1@34.771,17.7
TEMP_A7: J3.9 X8.14 | length 32.2
  Top Layer w0.2: J3.9 14.416,11.675 14.692,11.4 v1(14.8,11.4)
  Int3 (Sign) w0.2: v1(14.8,11.4) 14.849,11.4 16.7,13.251 v1(16.7,16.606) ; X8.14 31.92,24.591 32.6,23.911 v1(32.6,16.6)
  Bottom Layer w0.2: v1@16.706,16.6 16.709,16.603 32.597,16.603 v1(32.6,16.6)
TEMP_A8: J3.16 X8.16 | length 37.9
  Top Layer w0.2: J3.16 14.316,8.175 14.492,8 v1(14.6,8)
  Int3 (Sign) w0.2: v1(11.4,21.6) 11.4,21.492 11.281,21.373 11.281,10.993 12.099,10.175 12.376,10.175 14.551,8 v1(14.6,8) ; v1(29.3,21.6) 29.34,21.64 29.34,24.69 X8.16
  Bottom Layer w0.2: v1(11.4,21.6) v1(29.3,21.6)
TEMP_A9: J3.17 X8.18 | length 37
  Top Layer w0.2: J3.17 14.076,7.675 14.551,7.2 v1(14.6,7.2)
  Int2 (Sign) w0.2: v1(10.8,22.3) 10.877,22.377 11.094,22.377 11.117,22.4
  Int3 (Sign) w0.2: v1(10.8,22.3) 10.8,10.908 11.933,9.775 12.158,9.775 13.301,8.632 13.301,8.45 14.551,7.2 v1(14.6,7.2) ; v1(26.84,22.4) X8.18
  Bottom Layer w0.2: 11.117,22.4 v1(26.84,22.4)
V_LASER: J1.8 J1.10 J1.12 J1.14 J5.1 J5.2 J5.3 J5.4 X1.1 | length 32.8
  Int2 (Sign) w0.5: v1(27.17,4) v1(27.17,5) v1(27.17,6) 27.17,7 ; v1(29.17,4) v1(29.17,5) v1(29.17,6) 29.17,7 ; v1(31.17,4) v1(31.17,5) v1(31.17,6) 31.17,7 ; v1(33.17,4) v1(33.17,5) v1(33.17,6) 33.17,6.83
  Int3 (Sign) w0.5: v1(27.17,4) v1(27.17,5) v1(27.17,6) 27.17,7 ; v1(29.17,4) v1(29.17,5) v1(29.17,6) 29.17,7 ; v1(31.17,4) v1(31.17,5) v1(31.17,6) 31.17,7 ; v1(33.17,4) v1(33.17,5) v1(33.17,6) 33.17,6.83
  Bottom Layer w0.5: X1.1 11.438,32.141 12.604,32.141 13.663,33.2 19.873,33.2 19.973,33.1 v1(20,33.1)
VDD5: J1.2 J8.1 J10.1 X7.1 | length 57
  Top Layer w0.4: J1.2 21.17,14.83
  Top Layer w0.6: J8.1 18,28.54 18,23 21.17,19.83 21.17,14.83
  Int2 (Sign) w1: J10.1 X7.1 6.6,45 10.196,45 14.5,40.696 14.5,32.04 J8.1
pads on no net: J1.MP1 J1.MP2 J2.MP1 J2.MP2 J3.MP1 J3.MP2 U1.2 U1.7

## Polygon pours and split planes (outlines as drawn)
GND on Int4 (GND) "Polygon_0" (solid, remove dead copper, pour order 0): 10.466,4.734 cw(c11.831,6.1) 9.9,6.1 9.9,16.534 ccw(c8.534,16.534) 9.5,17.5 cw(c25.675,33.675) 2.8,33.675 2.8,56.9 cw(c4.1,56.9) 4.1,58.2 49.3,58.2 cw(c49.3,56.9) 50.6,56.9 50.6,33.675 cw(c27.725,33.675) 43.9,17.5 ccw(c44.866,16.534) 43.5,16.534 43.5,6.1 cw(c41.569,6.1) 42.934,4.734 38.166,-0.034 cw(c36.8,1.331) 36.8,-0.6 16.6,-0.6 cw(c16.6,1.331) 15.234,-0.034
GND on Int1 (GND) "Polygon_0" (solid, remove dead copper, pour order 1): 10.466,4.734 cw(c11.831,6.1) 9.9,6.1 9.9,16.534 ccw(c8.534,16.534) 9.5,17.5 cw(c25.675,33.675) 2.8,33.675 2.8,56.9 cw(c4.1,56.9) 4.1,58.2 49.3,58.2 cw(c49.3,56.9) 50.6,56.9 50.6,33.675 cw(c27.725,33.675) 43.9,17.5 ccw(c44.866,16.534) 43.5,16.534 43.5,6.1 cw(c41.569,6.1) 42.934,4.734 38.166,-0.034 cw(c36.8,1.331) 36.8,-0.6 16.6,-0.6 cw(c16.6,1.331) 15.234,-0.034
NetJ6_1 on Top Layer "Polygon_0" (solid, remove dead copper, pour order 2): 23.955,53.045 21,56 13.96,56 12.6,54.64 12.6,47.7 13.7,46.6 15,46.6 16.4,45.2 16.335,45.135 16.335,42.26 23.955,42.26
V_LASER on Int2 (Sign) "Polygon_0" (solid, remove dead copper, pour order 4): 25.954,3.7 25.954,11.046 16.6,20.4 16.6,42.6 22.5,48.5 22.5,50.5 27.5,55.5 36,55.5 37,54.5 37,47 35.5,45.5 27.5,45.5 25,43 25,21.5 31,15.5 31,11.5 33.355,9.145 33.355,3.7
V_LASER on Int3 (Sign) "Polygon_0" (solid, remove dead copper, pour order 5): 25.954,3.7 25.954,11.046 16.6,20.4 16.6,42.6 22.5,48.5 22.5,50.5 27.5,55.5 36,55.5 37,54.5 37,47 35.5,45.5 27.5,45.5 25,43 25,21.5 31,15.5 31,11.5 33.355,9.145 33.355,3.7

## Silkscreen, mask and mechanical layers (free items; w line width, h text height)
Top Overlay:
  text "GND" at 14.7,45.117 h2.5
  text "V_LASER" at 29.1,44.964 h2.5
  text "OP_OUT" at 33.5,43.364 h2.5
  text "9" at 26.2,42 h1.5
  text "8" at 28.74,42 h1.5
  text "7" at 31.28,42 h1.5
  text "6" at 33.82,42 h1.5
  text "5" at 36.36,42 h1.5
  text "4" at 38.9,42 h1.5
  text "3" at 41.44,42 h1.5
  text "2" at 43.98,42 h1.5
  text "1" at 46.52,42 h1.5
  text "9" at 26.3,34.7 h1.5
  text "8" at 28.84,34.7 h1.5
  text "7" at 31.38,34.7 h1.5
  text "6" at 33.92,34.7 h1.5
  text "5" at 36.46,34.7 h1.5
  text "4" at 39,34.7 h1.5
  text "3" at 41.54,34.7 h1.5
  text "2" at 44.08,34.7 h1.5
  text "1" at 46.62,34.7 h1.5
  text "PULSE_OUT" at 32.5,32.964 h2.5
  text "9" at 26.1,22 h1.5
  text "8" at 28.64,22 h1.5
  text "7" at 31.18,22 h1.5
  text "6" at 33.72,22 h1.5
  text "5" at 36.26,22 h1.5
  text "4" at 38.8,22 h1.5
  text "3" at 41.34,22 h1.5
  text "2" at 43.88,22 h1.5
  text "1" at 46.42,22 h1.5
  text "TEMP_OUT" at 32.6,20.364 h2.5
Board:
  lines w0.2: 28.3,58.2 49.3,58.2 cw(c49.3,56.9) 50.6,56.9 50.6,33.675 cw(c27.725,33.675) 43.9,17.5 ccw(c44.866,16.534) 43.5,16.534 43.5,6.1 cw(c41.569,6.1) 42.934,4.734 38.166,-0.034 cw(c36.8,1.331) 36.8,-0.6 26.7,-0.6 16.6,-0.6 cw(c16.6,1.331) 15.234,-0.034 10.466,4.734 cw(c11.831,6.1) 9.9,6.1 9.9,16.534 ccw(c8.534,16.534) 9.5,17.5 cw(c25.675,33.675) 2.8,33.675 2.8,56.9 cw(c4.1,56.9) 4.1,58.2 28.4,58.2